# Allegro board meta_carrier_lay_rev1.brd (continued)
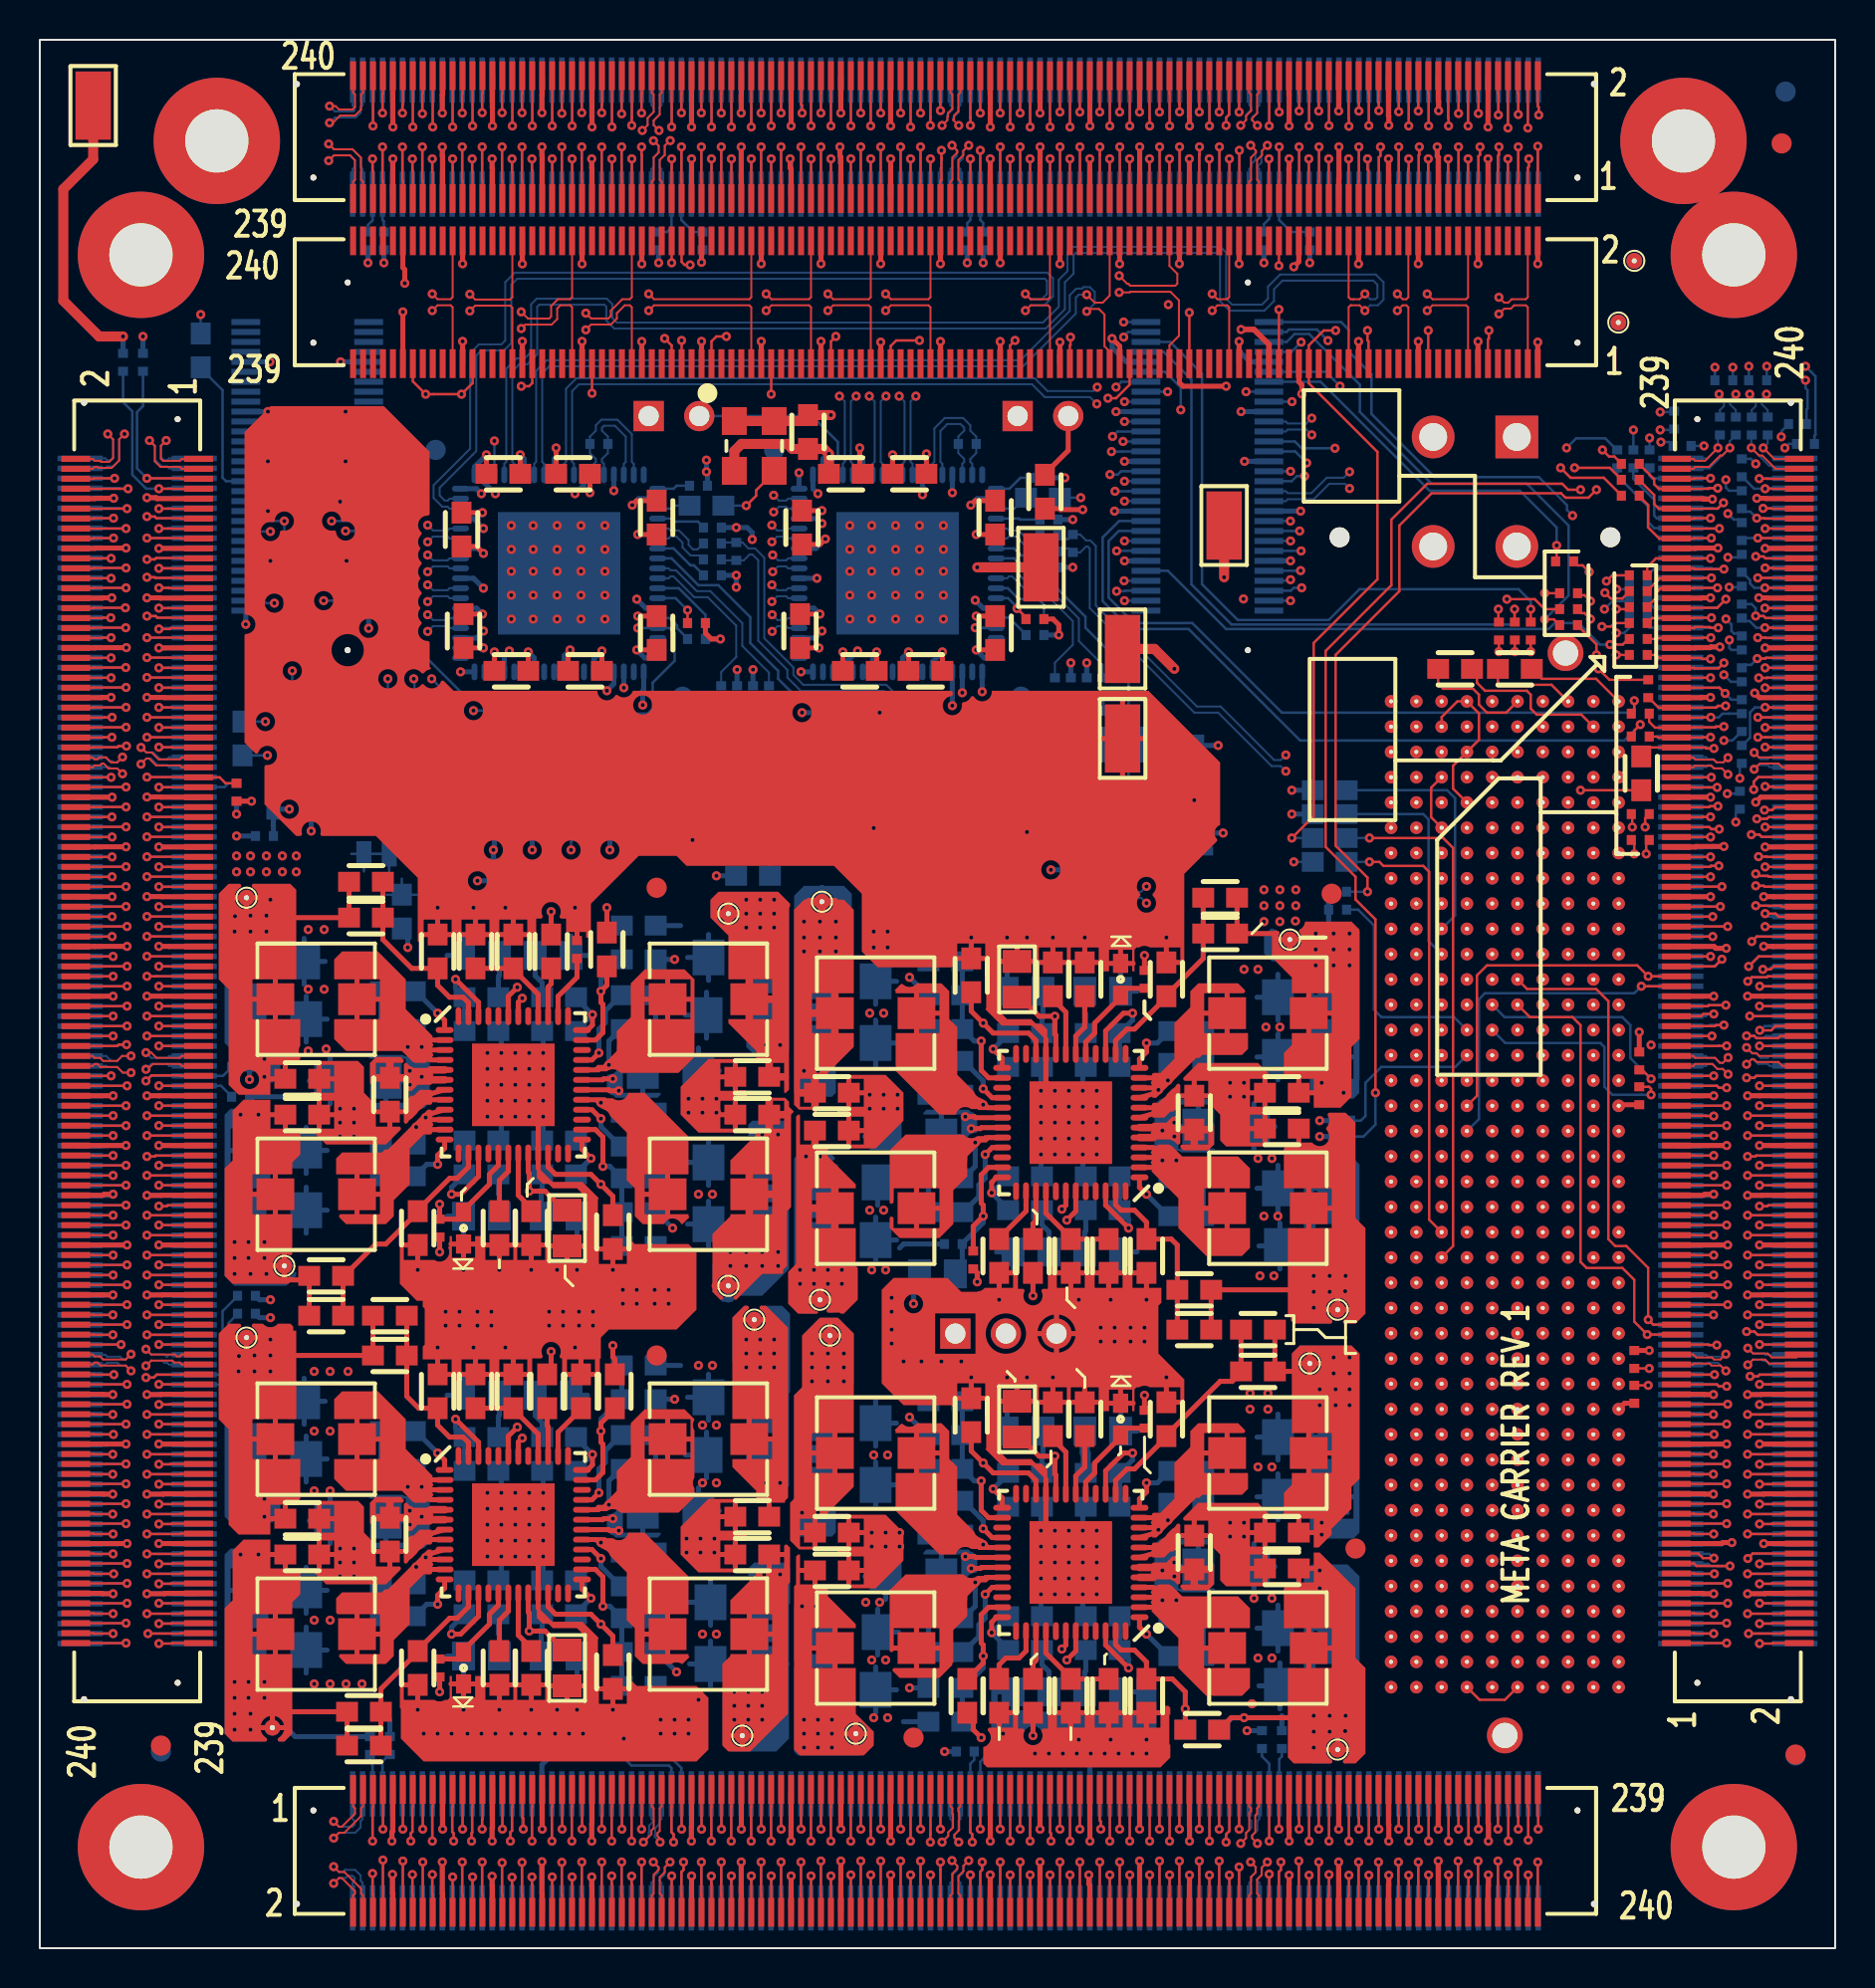
[diagram p0: board, top side]
## Copper pours and planes (outline as drawn; the poured copper is in the pictures) (continued)
SW2_Q2 on TOP (solid shape): 60.51,26.05 60.53,25.94 60.43,25.88 58.48,25.88 58.48,23.88 60.68,23.88 60.68,23.08 60.38,22.78 58.38,22.78 58.23,22.63 58.08,22.63 56.08,20.63 55.88,20.63 55.88,20.67 55.85,20.77 55.8,20.85 55.79,20.88 55.88,21.13 55.79,21.38 55.8,21.41 55.88,21.57 55.86,21.74 55.87,21.84 55.96,21.88 56.28,21.88 56.98,22.58 56.98,24.38 57.78,25.18 57.78,25.98 58.18,26.38 60.18,26.38
SW2_Q4 on TOP (solid shape): 19.68,19.99 19.71,19.89 19.76,19.81 19.77,19.78 19.68,19.53 19.77,19.28 19.76,19.25 19.68,19.09 19.7,18.92 19.69,18.82 19.6,18.78 19.28,18.78 18.58,18.08 18.58,16.28 17.78,15.48 17.78,14.68 17.38,14.28 15.38,14.28 15.05,14.61 15.03,14.72 15.13,14.78 17.08,14.78 17.08,16.78 14.95,16.78 14.92,16.82 14.88,16.86 14.88,17.58 15.18,17.88 17.18,17.88 17.33,18.03 17.48,18.03 19.48,20.03 19.68,20.03
SW2_Q8 on TOP (solid shape): 60.51,48.15 60.53,48.04 60.43,47.98 58.48,47.98 58.48,45.98 60.68,45.98 60.68,45.18 60.38,44.88 58.38,44.88 58.23,44.73 58.08,44.73 56.08,42.73 55.88,42.73 55.88,42.77 55.85,42.87 55.8,42.95 55.79,42.98 55.88,43.23 55.79,43.48 55.8,43.51 55.88,43.67 55.86,43.84 55.87,43.94 55.96,43.98 56.28,43.98 56.98,44.68 56.98,46.48 57.78,47.28 57.78,48.08 58.18,48.48 60.18,48.48
SW3_Q1 on TOP (solid shape): 32.58,40.78 32.58,38.88 30.38,38.88 30.38,36.88 32.58,36.88 32.58,36.78 32.63,36.73 32.28,36.38 32.22,36.38 32.2,36.41 31.76,36.66 31.34,36.38 30.28,36.38 29.88,36.78 29.88,38.18 29.48,38.58 29.48,40.98 28.64,41.82 28.64,41.83 28.52,42.02 28.33,42.14 28.32,42.14 28.28,42.18 28.21,42.18 27.87,42.53 27.88,42.6 27.88,42.65 27.91,42.72 27.98,42.75 28.42,42.75 28.47,42.7 28.78,42.7 29.23,42.62 29.54,42.94 29.55,42.98 30.38,42.98
SW3_Q2 on TOP (solid shape): 45.68,25.98 45.68,24.58 46.08,24.18 46.08,21.78 46.92,20.94 46.92,20.93 47.04,20.74 47.23,20.62 47.24,20.62 47.28,20.58 47.35,20.58 47.69,20.23 47.68,20.16 47.68,20.11 47.65,20.04 47.58,20.01 47.14,20.01 47.09,20.06 46.78,20.06 46.33,20.14 46.02,19.82 46.01,19.78 45.18,19.78 42.98,21.98 42.98,23.88 45.18,23.88 45.18,25.88 42.98,25.88 42.98,25.98 42.93,26.03 43.22,26.32 43.29,26.35 43.36,26.32 43.72,26.2 44.05,26.38 45.28,26.38
SW3_Q4 on TOP (solid shape): 32.58,18.68 32.58,16.78 30.38,16.78 30.38,14.78 32.58,14.78 32.58,14.68 32.63,14.63 32.28,14.28 32.25,14.28 31.98,14.36 31.71,14.28 30.28,14.28 29.88,14.68 29.88,16.08 29.48,16.48 29.48,18.88 28.64,19.72 28.64,19.73 28.52,19.92 28.33,20.04 28.32,20.04 28.28,20.08 28.21,20.08 27.87,20.43 27.88,20.5 27.88,20.55 27.91,20.62 27.98,20.65 28.42,20.65 28.47,20.6 28.78,20.6 29.23,20.52 29.54,20.84 29.55,20.88 30.38,20.88
SW3_Q8 on TOP (solid shape): 45.68,48.08 45.68,46.68 46.08,46.28 46.08,43.88 46.92,43.04 46.92,43.03 47.04,42.84 47.23,42.72 47.24,42.72 47.28,42.68 47.35,42.68 47.69,42.33 47.68,42.26 47.68,42.21 47.65,42.14 47.58,42.11 47.14,42.11 47.09,42.16 46.78,42.16 46.33,42.24 46.02,41.92 46.01,41.88 45.18,41.88 42.98,44.08 42.98,45.98 45.18,45.98 45.18,47.98 42.98,47.98 42.98,48.08 42.93,48.13 43.22,48.42 43.29,48.45 43.36,48.42 43.72,48.3 44.05,48.48 45.28,48.48
SW4_Q1 on TOP (solid shape): 32.88,48.68 32.88,44.78 32.08,43.98 29.16,43.98 29.14,44 29.09,44.05 29.04,44.08 28.98,44.11 28.93,44.14 28.87,44.15 28.8,44.16 28.74,44.16 28.68,44.15 28.62,44.13 28.56,44.11 28.51,44.08 28.48,44.06 28.17,44.06 28.12,44.01 27.94,44.01 27.92,44.03 27.9,44.05 27.89,44.07 27.88,44.14 27.88,44.18 27.87,44.23 28.01,44.38 28.28,44.38 28.98,45.08 28.98,46.08 29.58,46.68 32.68,46.68 32.68,48.68 30.38,48.68 30.38,46.68 29.58,46.68 29.68,46.78 29.68,48.48 30.38,49.18 32.38,49.18
SW4_Q2 on TOP (solid shape): 46.41,18.78 46.73,18.6 47.08,18.7 47.39,18.7 47.44,18.75 47.58,18.75 47.65,18.72 47.68,18.65 47.68,18.6 47.69,18.53 47.55,18.38 47.28,18.38 46.58,17.68 46.58,16.68 45.88,15.98 45.88,14.33 45.83,14.33 45.83,14.23 45.18,13.58 43.18,13.58 42.85,13.91 42.83,14.02 42.93,14.08 45.18,14.08 45.18,16.08 42.88,16.08 42.88,14.98 42.83,14.89 42.73,14.89 42.68,14.92 42.68,17.98 43.48,18.78
SW4_Q4 on TOP (solid shape): 32.88,26.58 32.88,26.55 32.86,26.52 32.84,26.46 32.82,26.4 32.8,26.34 32.8,26.28 32.8,26.22 32.82,26.16 32.84,26.1 32.86,26.04 32.88,26.01 32.88,23.65 32.86,23.62 32.84,23.56 32.82,23.5 32.8,23.44 32.8,23.38 32.8,23.32 32.82,23.26 32.84,23.2 32.86,23.14 32.88,23.11 32.88,22.68 32.08,21.88 29.16,21.88 29.14,21.9 29.09,21.95 29.04,21.98 28.98,22.01 28.93,22.04 28.87,22.05 28.8,22.06 28.74,22.06 28.68,22.05 28.62,22.03 28.56,22.01 28.51,21.98 28.48,21.96 28.17,21.96 28.12,21.91 27.94,21.91 27.92,21.93 27.9,21.95 27.89,21.97 27.88,22.04 27.88,22.08 27.87,22.13 28.01,22.28 28.28,22.28 28.98,22.98 28.98,23.98 29.58,24.58 32.68,24.58 32.68,26.58 30.38,26.58 30.38,24.58 29.58,24.58 29.68,24.68 29.68,26.38 30.38,27.08 32.38,27.08
SW4_Q8 on TOP (solid shape): 46.41,40.88 46.73,40.7 47.08,40.8 47.39,40.8 47.44,40.85 47.58,40.85 47.65,40.82 47.68,40.75 47.68,40.7 47.69,40.63 47.55,40.48 47.28,40.48 46.58,39.78 46.58,38.78 45.88,38.08 45.88,36.38 45.18,35.68 43.18,35.68 42.68,36.18 42.68,36.7 42.71,36.73 42.82,36.75 42.88,36.65 42.88,36.18 45.18,36.18 45.18,38.18 42.88,38.18 42.88,37.51 42.82,37.41 42.71,37.43 42.68,37.45 42.68,40.08 43.48,40.88
N9566934 on TOP (solid shape): 40.88,30.88 40.88,29.68 40.88,25.88 38.78,25.88 38.78,23.88 40.88,23.88 40.88,23.18 39.58,21.88 39.58,21.58 38.18,21.58 38.18,20.18 39.58,20.18 39.58,20.08 39.53,20.03 38.13,20.03 37.68,20.48 37.68,22.38 37.88,22.58 37.88,27.78 38.28,28.18 38.28,30.78 38.31,30.81 39.08,30.81 39.08,30.75 39.09,30.68 39.1,30.61 39.13,30.54 39.16,30.48 39.2,30.42 39.24,30.37 39.29,30.32 39.35,30.28 39.41,30.24 39.47,30.22 39.54,30.2 39.61,30.18 39.68,30.18 39.75,30.18 39.82,30.2 39.89,30.22 39.95,30.24 40.01,30.28 40.07,30.32 40.12,30.37 40.16,30.42 40.2,30.48 40.23,30.54 40.26,30.61 40.27,30.68 40.28,30.75 40.28,30.81 40.27,30.88 40.26,30.95 40.23,31.02 40.2,31.08 40.16,31.14 40.12,31.19 40.07,31.24 40.01,31.28 39.95,31.32 39.89,31.34 39.82,31.36 39.75,31.38 39.68,31.38 39.61,31.38 39.54,31.36 39.47,31.34 39.41,31.32 39.35,31.28 39.29,31.24 39.24,31.19 39.2,31.14 39.16,31.08 39.13,31.02 39.1,30.95 39.09,30.88 39.08,30.81 38.31,30.81 39.18,31.68 40.08,31.68
N9566934 on BOTTOM (solid shape): 40.88,30.88 40.88,28.38 39.98,27.48 38.18,27.48 38.18,25.28 39.98,25.28 39.98,24.38 38.18,24.38 38.18,22.18 39.98,22.18 39.98,20.88 39.78,20.68 38.08,20.68 37.88,20.88 37.88,27.78 38.38,28.28 38.38,30.81 39.08,30.81 39.08,30.75 39.09,30.68 39.1,30.61 39.13,30.54 39.16,30.48 39.2,30.42 39.24,30.37 39.29,30.32 39.35,30.28 39.41,30.24 39.47,30.22 39.54,30.2 39.61,30.18 39.68,30.18 39.75,30.18 39.82,30.2 39.89,30.22 39.95,30.24 40.01,30.28 40.07,30.32 40.12,30.37 40.16,30.42 40.2,30.48 40.23,30.54 40.26,30.61 40.27,30.68 40.28,30.75 40.28,30.81 40.27,30.88 40.26,30.95 40.23,31.02 40.2,31.08 40.16,31.14 40.12,31.19 40.07,31.24 40.01,31.28 39.95,31.32 39.89,31.34 39.82,31.36 39.75,31.38 39.68,31.38 39.61,31.38 39.54,31.36 39.47,31.34 39.41,31.32 39.35,31.28 39.29,31.24 39.24,31.19 39.2,31.14 39.16,31.08 39.13,31.02 39.1,30.95 39.09,30.88 39.08,30.81 38.38,30.81 38.38,30.88 39.18,31.68 40.08,31.68
N9567341 on TOP (solid shape): 38.18,18.28 39.58,18.28 39.58,17.68 40.98,16.28 40.98,16.08 38.78,16.08 38.78,14.08 40.98,14.08 40.98,11.78 41.88,10.88 41.88,10.18 41.38,9.68 38.18,9.68 37.88,9.98 37.88,10.81 40.38,10.81 40.38,10.75 40.39,10.68 40.4,10.61 40.43,10.54 40.46,10.48 40.5,10.42 40.54,10.37 40.59,10.32 40.65,10.28 40.71,10.24 40.77,10.22 40.84,10.2 40.91,10.18 40.98,10.18 41.05,10.18 41.12,10.2 41.19,10.22 41.25,10.24 41.31,10.28 41.37,10.32 41.42,10.37 41.46,10.42 41.5,10.48 41.53,10.54 41.56,10.61 41.57,10.68 41.58,10.75 41.58,10.81 41.57,10.88 41.56,10.95 41.53,11.02 41.5,11.08 41.46,11.14 41.42,11.19 41.37,11.24 41.31,11.28 41.25,11.32 41.19,11.34 41.12,11.36 41.05,11.38 40.98,11.38 40.91,11.38 40.84,11.36 40.77,11.34 40.71,11.32 40.65,11.28 40.59,11.24 40.54,11.19 40.5,11.14 40.46,11.08 40.43,11.02 40.4,10.95 40.39,10.88 40.38,10.81 37.88,10.81 37.88,18.18 37.98,18.28 37.98,19.68 38.08,19.78 38.18,19.78
N9567341 on BOTTOM (solid shape): 39.9,17.16 39.91,17.14 39.93,17.12 39.93,17.09 39.93,17.06 39.92,17.03 39.9,17.01 39.88,16.99 39.85,16.98 39.83,16.98 38.28,16.98 38.28,14.78 40.08,14.78 40.08,14.08 38.18,14.08 38.18,11.88 40.08,11.88 40.38,11.58 41.18,11.58 41.88,10.88 41.88,10.38 41.18,9.68 38.08,9.68 37.88,9.88 37.88,10.81 40.38,10.81 40.38,10.75 40.39,10.68 40.4,10.61 40.43,10.54 40.46,10.48 40.5,10.42 40.54,10.37 40.59,10.32 40.65,10.28 40.71,10.24 40.77,10.22 40.84,10.2 40.91,10.18 40.98,10.18 41.05,10.18 41.12,10.2 41.19,10.22 41.25,10.24 41.31,10.28 41.37,10.32 41.42,10.37 41.46,10.42 41.5,10.48 41.53,10.54 41.56,10.61 41.57,10.68 41.58,10.75 41.58,10.81 41.57,10.88 41.56,10.95 41.53,11.02 41.5,11.08 41.46,11.14 41.42,11.19 41.37,11.24 41.31,11.28 41.25,11.32 41.19,11.34 41.12,11.36 41.05,11.38 40.98,11.38 40.91,11.38 40.84,11.36 40.77,11.34 40.71,11.32 40.65,11.28 40.59,11.24 40.54,11.19 40.5,11.14 40.46,11.08 40.43,11.02 40.4,10.95 40.39,10.88 40.38,10.81 37.88,10.81 37.88,14.14 37.89,14.17 37.9,14.22 37.91,14.28 37.9,14.34 37.89,14.39 37.88,14.42 37.88,17.18 38.18,17.48 39.58,17.48
N9567588 on TOP (solid shape): 37.38,20.18 37.38,20.19 37.39,20.22 37.41,20.25 37.43,20.27 37.46,20.28 37.49,20.28 37.52,20.28 37.54,20.26 37.68,20.13 37.68,18.38 37.58,18.28 37.58,11.78 35.68,9.88 34.58,9.88 34.28,10.18 34.28,10.71 34.68,10.71 34.68,10.65 34.69,10.58 34.7,10.51 34.73,10.44 34.76,10.38 34.8,10.32 34.84,10.27 34.89,10.22 34.95,10.18 35.01,10.14 35.07,10.12 35.14,10.1 35.21,10.08 35.28,10.08 35.35,10.08 35.42,10.1 35.49,10.12 35.55,10.14 35.61,10.18 35.67,10.22 35.72,10.27 35.76,10.32 35.8,10.38 35.83,10.44 35.86,10.51 35.87,10.58 35.88,10.65 35.88,10.71 35.87,10.78 35.86,10.85 35.83,10.92 35.8,10.98 35.76,11.04 35.72,11.09 35.67,11.14 35.61,11.18 35.55,11.22 35.49,11.24 35.42,11.26 35.35,11.28 35.28,11.28 35.21,11.28 35.14,11.26 35.07,11.24 35.01,11.22 34.95,11.18 34.89,11.14 34.84,11.09 34.8,11.04 34.76,10.98 34.73,10.92 34.7,10.85 34.69,10.78 34.68,10.71 34.28,10.71 34.28,14.28 34.68,14.68 34.68,14.78 36.78,14.78 36.78,16.78 34.68,16.78 34.68,17.48 35.98,18.78 35.98,19.08 37.38,19.08
N9567588 on BOTTOM (solid shape): 37.68,19.08 37.68,17.33 37.63,17.28 37.63,10.53 36.98,9.88 34.68,9.88 34.28,10.28 34.28,10.71 34.68,10.71 34.68,10.65 34.69,10.58 34.7,10.51 34.73,10.44 34.76,10.38 34.8,10.32 34.84,10.27 34.89,10.22 34.95,10.18 35.01,10.14 35.07,10.12 35.14,10.1 35.21,10.08 35.28,10.08 35.35,10.08 35.42,10.1 35.49,10.12 35.55,10.14 35.61,10.18 35.67,10.22 35.72,10.27 35.76,10.32 35.8,10.38 35.83,10.44 35.86,10.51 35.87,10.58 35.88,10.65 35.88,10.71 35.87,10.78 35.86,10.85 35.83,10.92 35.8,10.98 35.76,11.04 35.72,11.09 35.67,11.14 35.61,11.18 35.55,11.22 35.49,11.24 35.42,11.26 35.35,11.28 35.28,11.28 35.21,11.28 35.14,11.26 35.07,11.24 35.01,11.22 34.95,11.18 34.89,11.14 34.84,11.09 34.8,11.04 34.76,10.98 34.73,10.92 34.7,10.85 34.69,10.78 34.68,10.71 34.28,10.71 34.28,12.68 34.73,13.13 34.73,13.13 34.78,13.18 35.48,13.18 35.48,13.18 37.48,13.18 37.48,15.38 35.58,15.38 35.58,16.28 37.48,16.28 37.48,18.48 35.58,18.48 35.58,19.08 35.88,19.38 37.38,19.38
N9567837 on TOP (solid shape): 35.51,32.28 35.61,32.21 35.56,32.09 35.88,30.98 36.2,32.09 36.15,32.21 36.25,32.28 36.48,32.28 37.58,31.18 37.58,22.63 37.43,22.48 37.43,22.38 35.98,22.38 35.98,22.98 34.78,24.18 34.78,24.58 36.78,24.58 36.78,26.58 34.78,26.58 34.78,31.68 35.38,32.28
N9567837 on BOTTOM (solid shape): 35.51,32.28 35.61,32.21 35.56,32.09 35.88,30.98 36.2,32.09 36.15,32.21 36.25,32.28 37.28,32.28 37.68,31.88 37.68,27.93 37.63,27.88 37.63,23.23 37.38,22.98 36.18,22.98 35.66,23.5 35.63,23.62 35.73,23.68 37.28,23.68 37.28,25.88 35.48,25.88 35.48,26.58 37.38,26.58 37.38,28.78 35.48,28.78 34.78,29.48 34.78,31.68 35.38,32.28
N9610290 on BOTTOM: 15.78,53.78 16.18,53.78 17.38,52.58 19.18,52.58 19.18,53.18 19.63,53.63 20.33,53.63 20.68,53.98 20.68,55.68 20.48,55.88 15.68,55.88 15.38,55.58 15.38,54.18
12P0V on TOP (solid shape): 18.28,44.38 18.34,44.47 18.45,44.45 18.68,44.23 19.58,44.23 19.65,44.2 19.68,44.13 19.7,44.01 19.76,43.91 19.77,43.88 19.76,43.85 19.68,43.69 19.7,43.52 19.69,43.42 19.6,43.38 18.98,43.38 18.68,43.08 18.28,43.08
12P0V on TOP (solid shape): 18.28,22.28 18.34,22.37 18.45,22.35 18.68,22.13 19.58,22.13 19.65,22.1 19.68,22.03 19.7,21.91 19.76,21.81 19.77,21.78 19.76,21.75 19.68,21.59 19.7,21.42 19.69,21.32 19.6,21.28 18.98,21.28 18.68,20.98 18.28,20.98
12P0V on TOP (solid shape): 57.28,40.48 57.22,40.39 57.11,40.41 56.88,40.63 55.98,40.63 55.91,40.66 55.88,40.73 55.86,40.85 55.8,40.95 55.79,40.98 55.8,41.01 55.88,41.17 55.86,41.34 55.87,41.44 55.96,41.48 56.58,41.48 56.88,41.78 57.28,41.78
12P0V on TOP (solid shape): 57.28,18.38 57.22,18.29 57.11,18.31 56.88,18.53 55.98,18.53 55.91,18.56 55.88,18.63 55.86,18.75 55.8,18.85 55.79,18.88 55.8,18.91 55.88,19.07 55.86,19.24 55.87,19.34 55.96,19.38 56.58,19.38 56.88,19.68 57.28,19.68

## Text on the board
BOTTOM: BTM SIDE / LAYER 14 OF 14
Board Geometry/Soldermask Bottom: SOLDER MASK / BTM SIDE
Ref Des/Silkscreen Bottom: SILKSCREEN / BTM SIDE
User.Comments: CR_TI_PLACEMENT_1 | CR_TI_PLACEMENT_1_4 | CR_TIROUTING-180_2 | CR_TI_PLACEMENT_2_1 | CR_TI_PLACEMENT3_4 | CR_TI_PLACEMENT5_3 | CR_TI_PLACEMENT5_1 | CR_TI_PLACEMENT_1_1 | CR_TI_PLACEMENT_2_2 | CR_TI_PLACEMENT_2 | CR_TI_PLACEMENT2_1 | CR_TI_PLACEMENT3_3 | CR_TI_PLACEMENT4_2 | CR_TI_PLACEMENT3_2 | CR_TI_PLACEMENT5_2 | CR_TI-ROUTING_1 | CR_TI_PLACEMENT_3_2 | CR_TI_PLACEMENT_3_1 | CR_TI_PLACEMENT_1_2 | CR_TI_PLACEMENT_3 | CR_TI_PLACEMENT_1_3 | CR_TI_PLACEMENT2_3 | CR_TI_PLACEMENT2_2 | CR_TI_PLACEMENT_4 | FULL | 1  OF  1 | 12  VIA FILL Required | C | 0 | 1 | FABRICATION DRAWING
TOP: TOP SIDE / LAYER 1 OF 14
Board Geometry/Soldermask Top: SOLDER MASK / TOP SIDE
Ref Des/Silkscreen Top: META CARRIER REV 1 | SILKSCREEN / TOP SIDE
GND_L2: GND PLANE / LAYER 2 OF 14
SIGNAL_L3: INNER SIGNAL / LAYER 3 OF 14
GND_L4: GND PLANE / LAYER 4 OF 14
SIGNAL_L5: INNER SIGNAL / LAYER 5 OF 14
GND_L6: INNER SIGNAL / LAYER 6 OF 14
PWR_L7: PWR PLANE / LAYER 7 OF 14
PWR_L8: PWR PLANE / LAYER 8 OF 14
GND_L9: INNER SIGNAL / LAYER 9 OF 14
SIGNAL_L10: INNER SIGNAL / LAYER 10 OF 14
GND_L11: GND PLANE / LAYER 11 OF 14
SIGNAL_L12: INNER SIGNAL / LAYER 12 OF 14
GND_L13: GND PLANE / LAYER 13 OF 14
PAGE_OUTLINE: ANGLES + | SHEET | UNLESS OTHERWISE SPECIFIED | DIMENSIONS ARE IN mm | TOLERANCES ON; | 2 PL DECIMALS +/-.25mm | 3 PL DECIMALS +/-.125mm | FRACTIONS + | SIGNATURES | DATE | SCALE - | SIZE | FSCM NO | DWG NO | DWG REV | REV | DESCRIPTION | REVISIONS | APPROVED | MetaCarrier | D | C | B | A | 4 | 3 | 2
SOLDER_PASTE_TOP: SOLDER PASTE / TOP SIDE
User.5: SOLDER PASTE / BTM SIDE
User.8: Top Side     / Layer 1 of 14 | Gnd Plane    / Layer 2 of 14 | Inner Signal / Layer 3 of 14 | Gnd Plane    / Layer 4 of 14 | Inner Signal / Layer 5 of 14 | Gnd Plane    / Layer 6 of 14 | Pwr Plane    / Layer 7 of 14 | Pwr Plane    / Layer 8 of 14 | Gnd Plane    / Layer 9 of 14 | Inner Signal / Layer 10 of 14 | Gnd Plane    / Layer 11 of 14 | Inner Signal / Layer 12 of 14 | Gnd Plane    / Layer 13 of 14 | Bottom Side  / Layer 14 of 14 | 13. All dimensions are in millimeters (mm). | 14. Tolerances: .XX=+/-0.25mm  .XXX=+/-0.125mm. | 15. Non-Functional pads may be removed from internal layers. | 12. This board uses via in pad technology. Vias shall be filled with non-conductive | 11. PCB stackup shall yield 50 OHM single ended and 100 OHM differential impedance. | 10. All holes to be plated through unless otherwise noted. | 8. Silkscreen both sides of board (non-conductive white epoxy ink). | 9. Minimum conductor to conductor spacing: .100mm. | 1. This board to be built to IPC pwb Class-2 | 2. PCB is 14 layers. See TTM_Adapteva_Meta-Carrier.pdf for stackup and impedance details. | 3. PCB Material: 370HR | 4. Finish: All exposed copper shall be ENIG. Soldermask shall be blue. | 5. Copper thickness on external layers to be 0.5 oz plus plating. | 7. All laminate materials used on this PWB must be formally qualified for, | 6. Copper thickness on internal layers (unless otherwise noted) to be 1 oz. | NOTES: | epoxy fill and capped over with conductive copper plating. | See hole chart for hole size fill requirements, Freestanding vias (not in pads) | to be masked over with solder mask on both sides. | Acceptable impedance tolerance to be 10%. | and compatible with, Pb-free assembly processing temperatures | See hole chart for non-conductive via fill requirements. | 1    INITIAL RELEASE OF META CARRIER REV 1    6/14/17 | PCB STACKUP P/N MetaCarrier
User.16: 2X | 1  OF  2 | TP7 | TP3 | TP13 | C34 | C59 | C29 | C54 | R23 | R41 | C69 | C20 | R6 | C43 | C45 | R24 | C2 | C16 | C3 | C17 | TP8 | C11 | C28 | C53 | C60 | C35 | TP5 | TP16 | TP11 | TP4 | C4 | TP15 | TP9 | C18 | C30 | TP12 | C37 | C55 | C62 | C5 | C19 | C10 | C44 | R25 | C70 | C46 | R7 | C21 | R26 | C61 | C36 | C56 | TP6 | C31 | TP14 | TP10 | TP17 | R4 | R2 | R182 | R183 | R154 | R188 | R163 | R165 | R168 | R192 | R156 | R189 | R149 | R155 | TP2 | TP1 | R158 | R145 | R146 | R159 | R153 | R147 | TP20 | CR2 | CR4 | C65 | C40 | C25 | C50 | TP23 | CR3 | CR1 | TP22 | TP19 | TP21 | R5 | C32 | C57 | R35 | R16 | R17 | R36 | R9 | R28 | C9 | C12 | C23 | C47 | C38 | C63 | R29 | R10 | C39 | C64 | R30 | R11 | R8 | R31 | C22 | C48 | C41 | C66 | C6 | C14 | C13 | C8 | C1 | C67 | C24 | R22 | C49 | C7 | C15 | R18 | R37 | R1 | R19 | R38 | C51 | C26 | R39 | R20 | C52 | C27 | C68 | C42 | R12 | R21 | R33 | R40 | R13 | R34 | C58 | C33 | R160 | R185 | R187 | R27 | R32 | R14 | R15 | R3 | L13 | L9 | L5 | L1 | U4 | U2 | L10 | L14 | L2 | L6 | U1 | L11 | L15 | L3 | L7 | U5 | U3 | L16 | L12 | L4 | L8 | J3 | 1 | 2 | 240 | 239 | J5 | J1 | J2 | J4 | 1    INITIAL RELEASE OF META CARRIER REV 1    6/14/17 | Viewed From Top Side | C | ASM -Top Side
User.18: 2X | 2  OF  2 | C88 | C92 | C91 | C95 | C106 | C105 | C107 | C110 | C119 | U9 | C163 | C160 | C164 | C165 | U10 | U11 | C166 | C173 | C169 | C170 | U13 | R174 | R169 | 240 | R180 | R170 | R178 | 239 | R150 | R152 | R151 | C76 | R42 | R43 | C77 | C78 | C72 | C74 | C75 | C71 | R44 | R45 | C73 | R46 | R47 | R48 | R49 | C79 | C80 | R56 | C83 | R58 | C84 | R57 | R59 | R54 | C86 | C85 | R62 | R60 | C89 | C90 | R61 | R63 | C93 | C94 | R64 | C98 | C101 | C102 | R69 | R65 | R72 | R70 | R73 | R68 | R74 | C103 | C104 | C109 | C108 | C111 | C112 | R71 | C118 | R79 | C115 | R77 | R78 | C120 | R80 | R83 | R86 | R84 | C121 | R82 | R85 | R87 | R88 | R89 | R81 | C113 | C116 | C114 | C117 | C129 | C124 | C130 | C128 | C125 | C123 | C127 | C126 | C131 | R91 | C143 | C146 | R93 | R96 | C147 | C133 | C137 | C134 | C138 | C136 | C140 | C139 | C141 | R95 | C148 | C149 | C153 | R102 | C156 | R108 | C157 | R109 | R110 | C154 | R103 | R104 | C150 | C151 | R99 | R100 | R101 | C152 | R105 | R106 | C155 | R107 | R112 | R116 | C161 | R118 | C158 | R115 | R117 | C159 | C162 | R113 | C168 | C172 | R122 | R123 | C171 | R124 | C167 | R121 | C175 | R127 | R128 | C176 | C177 | R129 | C174 | C178 | C179 | R126 | R135 | R139 | R140 | C186 | C180 | C181 | C187 | C183 | C184 | C182 | C185 | TP18 | R136 | R137 | R173 | R171 | R179 | R181 | R148 | R190 | R176 | R164 | R172 | R175 | R184 | R186 | R157 | R191 | R162 | R177 | R161 | R167 | R166 | R50 | R51 | R52 | R53 | C82 | C81 | R55 | C87 | R67 | R66 | C96 | C97 | C99 | C100 | R75 | R76 | C132 | R92 | R94 | C135 | C142 | C144 | C145 | R111 | R98 | R114 | R120 | R119 | R130 | R131 | R125 | R132 | R133 | R134 | R138 | R142 | C122 | R90 | R97 | R141 | R143 | R144 | 1 | 3 | J7 | 4 | 2 | J8 | U6 | J9 | J10 | U7 | U8 | J13 | U12 | J14 | J6 | P1 | J11 | J12 | J15 | 59 | 60 | 1    INITIAL RELEASE OF META CARRIER REV 1    6/14/17 | VIEWED FROM BOTTOM SIDE | C | ASM -Btm Side
User.20: FIGURE | SIZE | 0.2029 | 0.254 | 1.016 | 1.4 | 3.175 | 1.27 | 3.0 | DRILL CHART: TOP to BOTTOM | ALL UNITS ARE IN MILLIMETERS | TOLERANCE | +0.0/-0.2029 | +0.0/-0.254 | +0.0762/-0.0762 | PLATED | NON-PLATED | QTY | 2455 | 18 | 7 | 4 | 6 | 22 | 2
